# Altium PCB Femto_tester_v1.PcbDoc
Units mm, origin at the board's own origin, x right, y up, seen from the top; angles counter-clockwise.
Board outline 35 x 40 mm, 2 copper layers (L1 [TOP], L2 [BOT]), stack 1.57 mm thick; 78 components, 74 nets, 220 pads, 76 vias.
Unrouted connection lines stored in the file: 26.
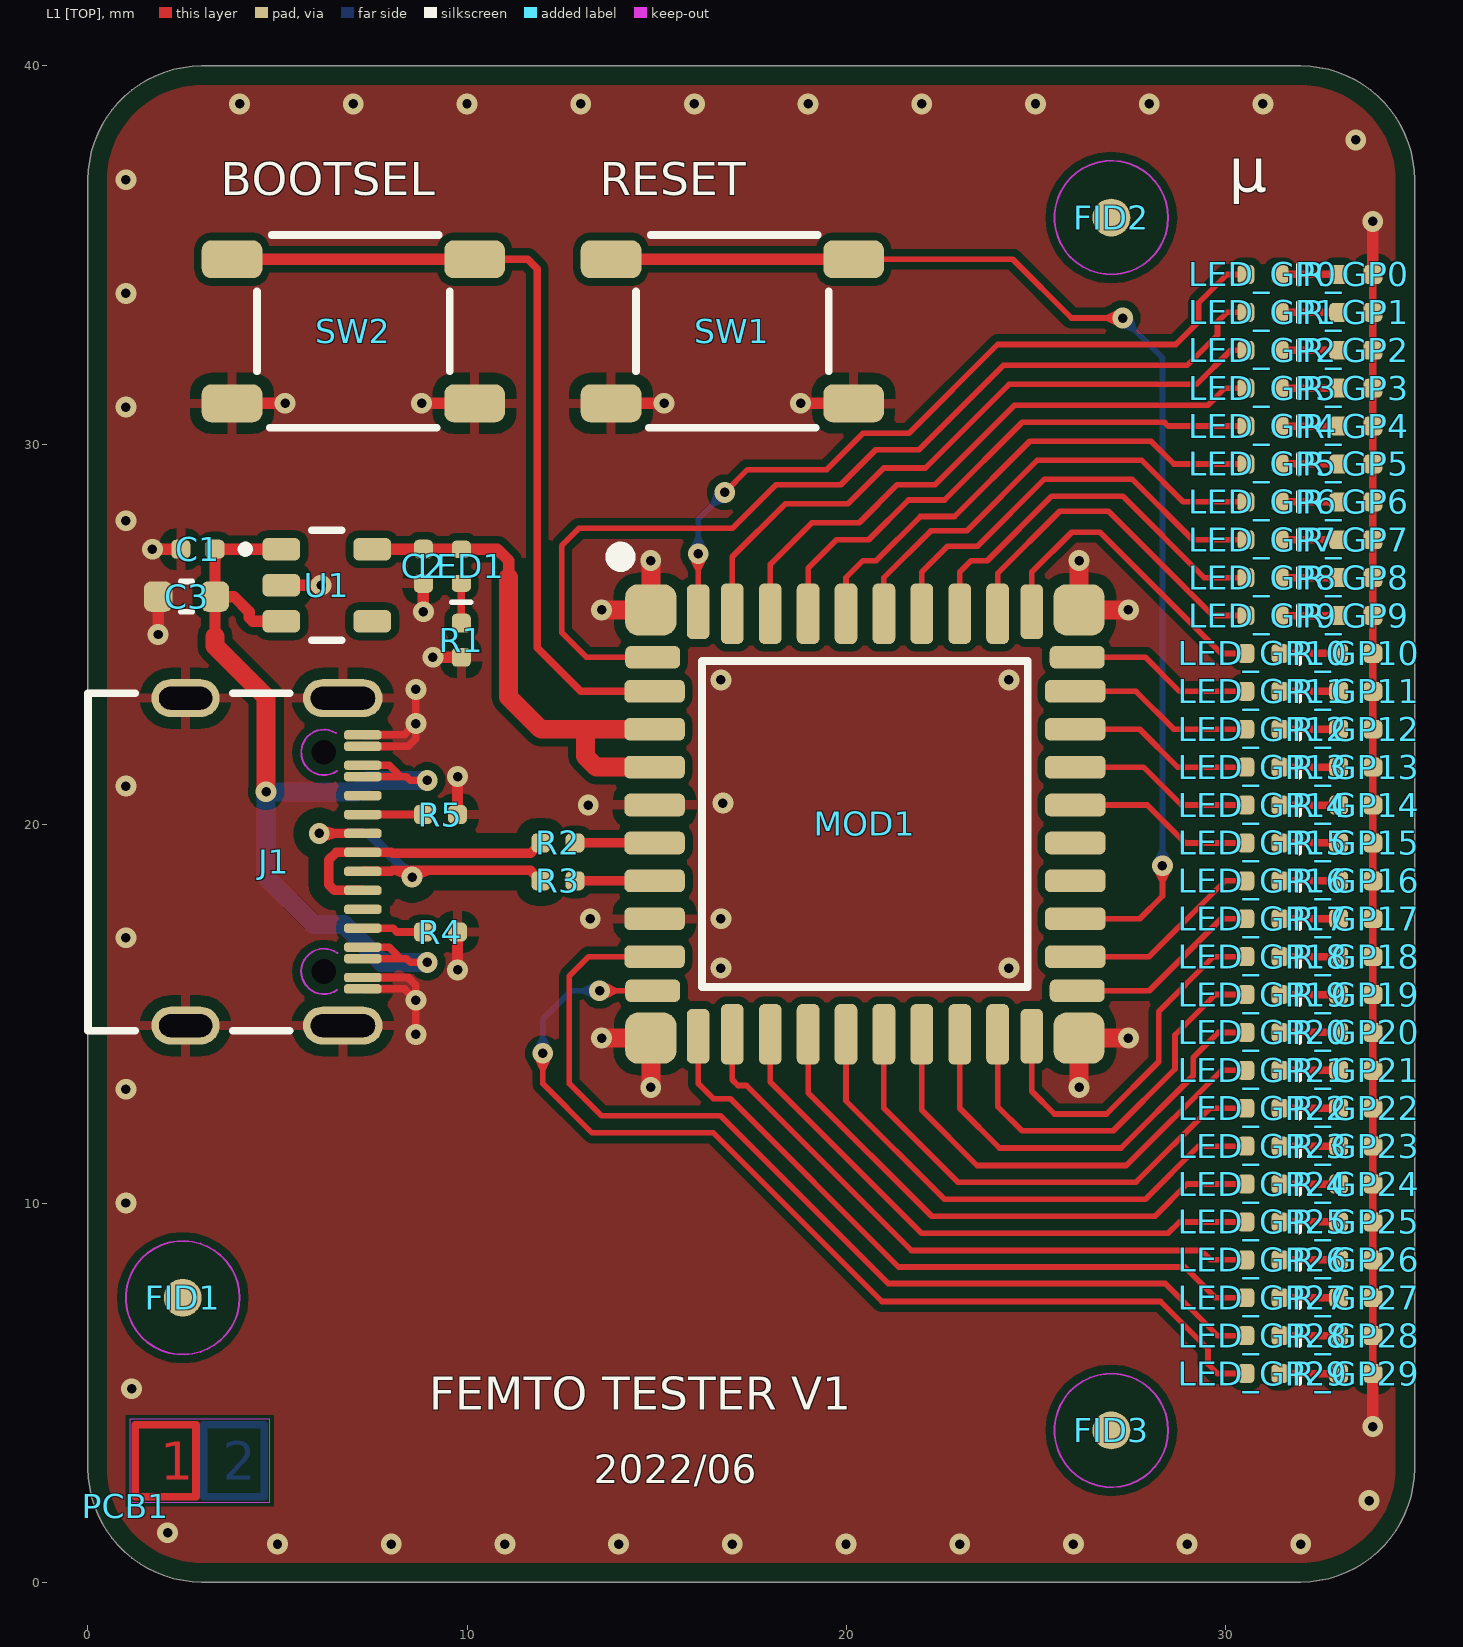
[diagram p0: L1 [TOP] view]
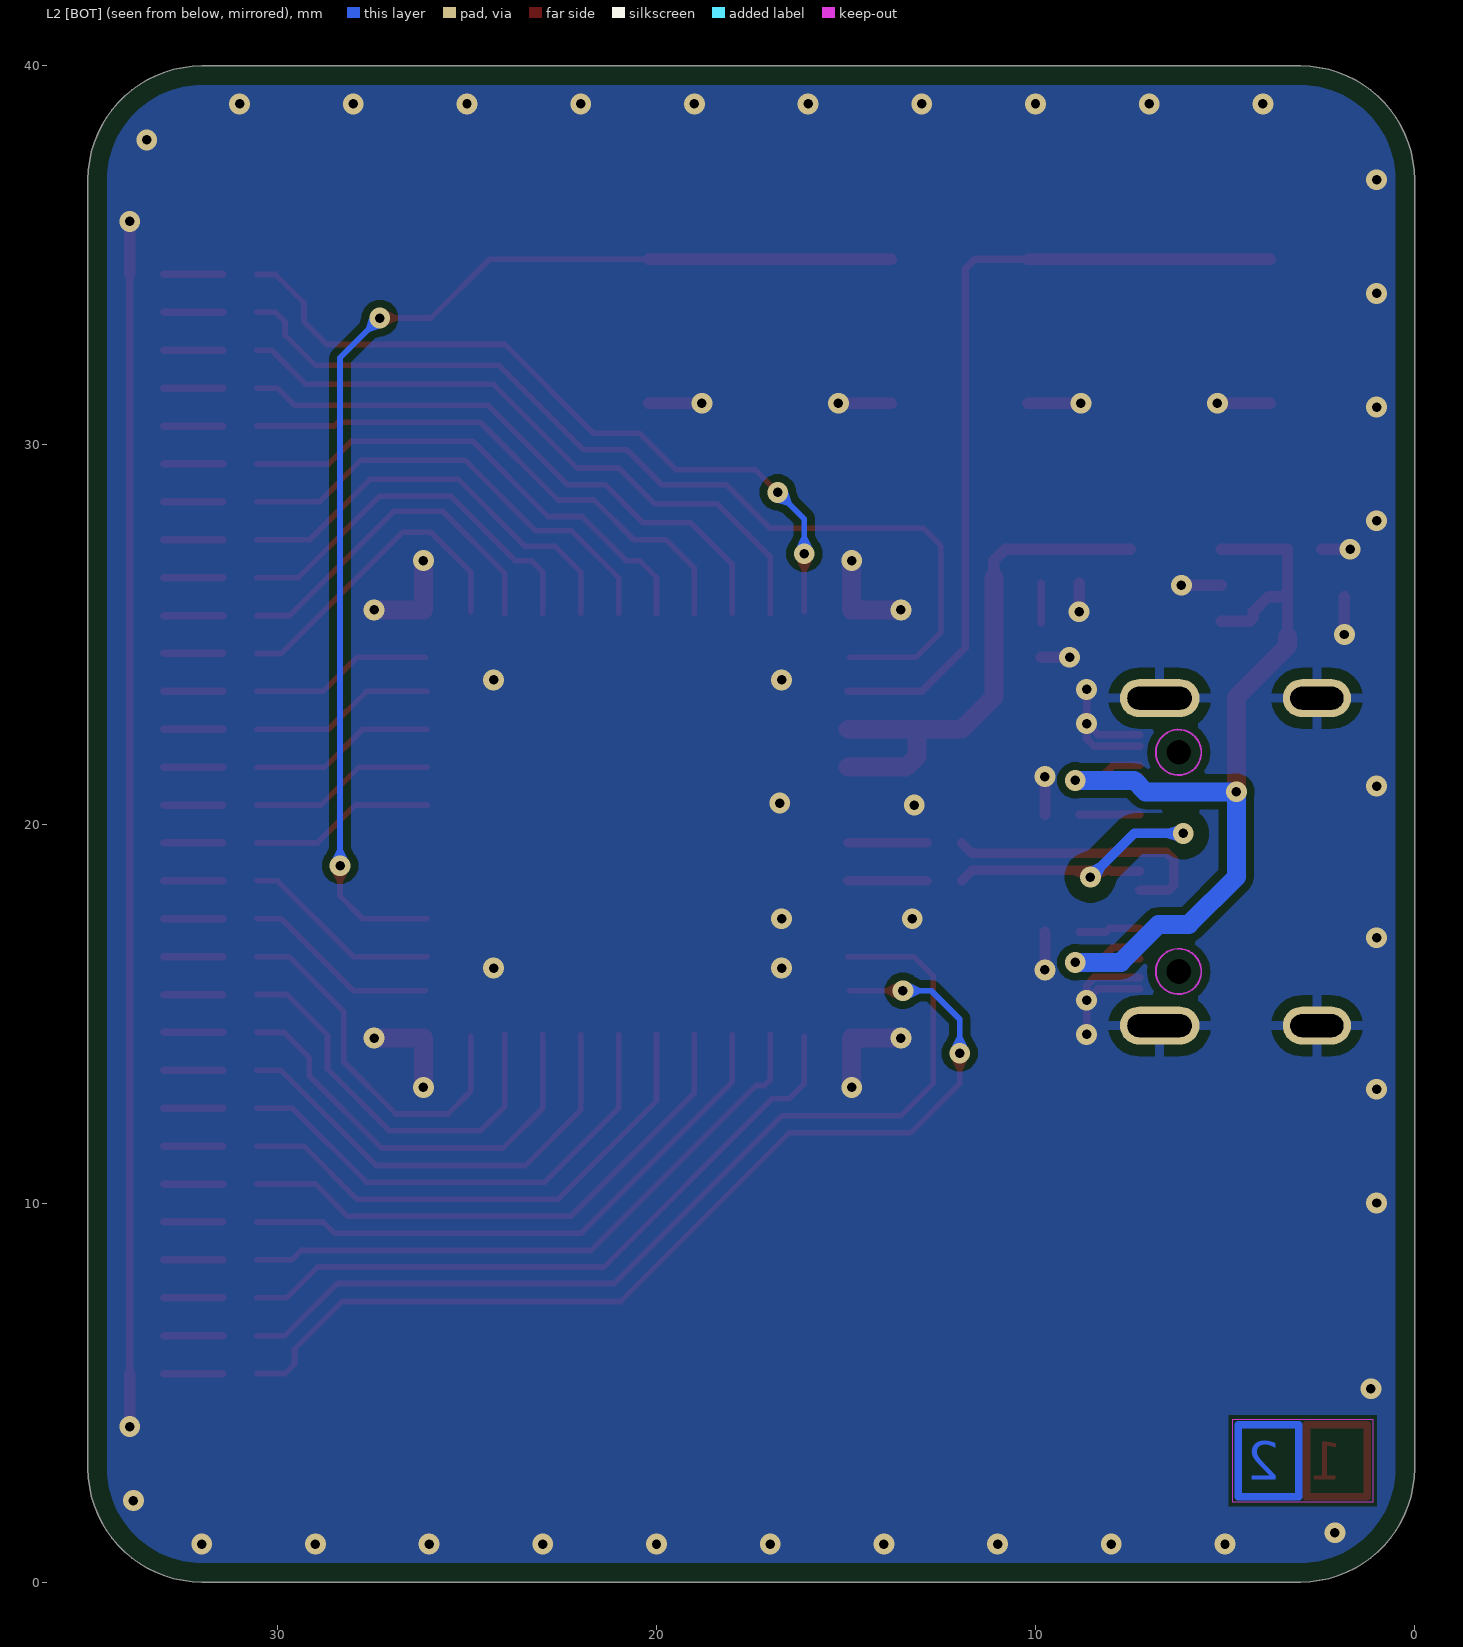
[diagram p1: L2 [BOT] view, seen from below]
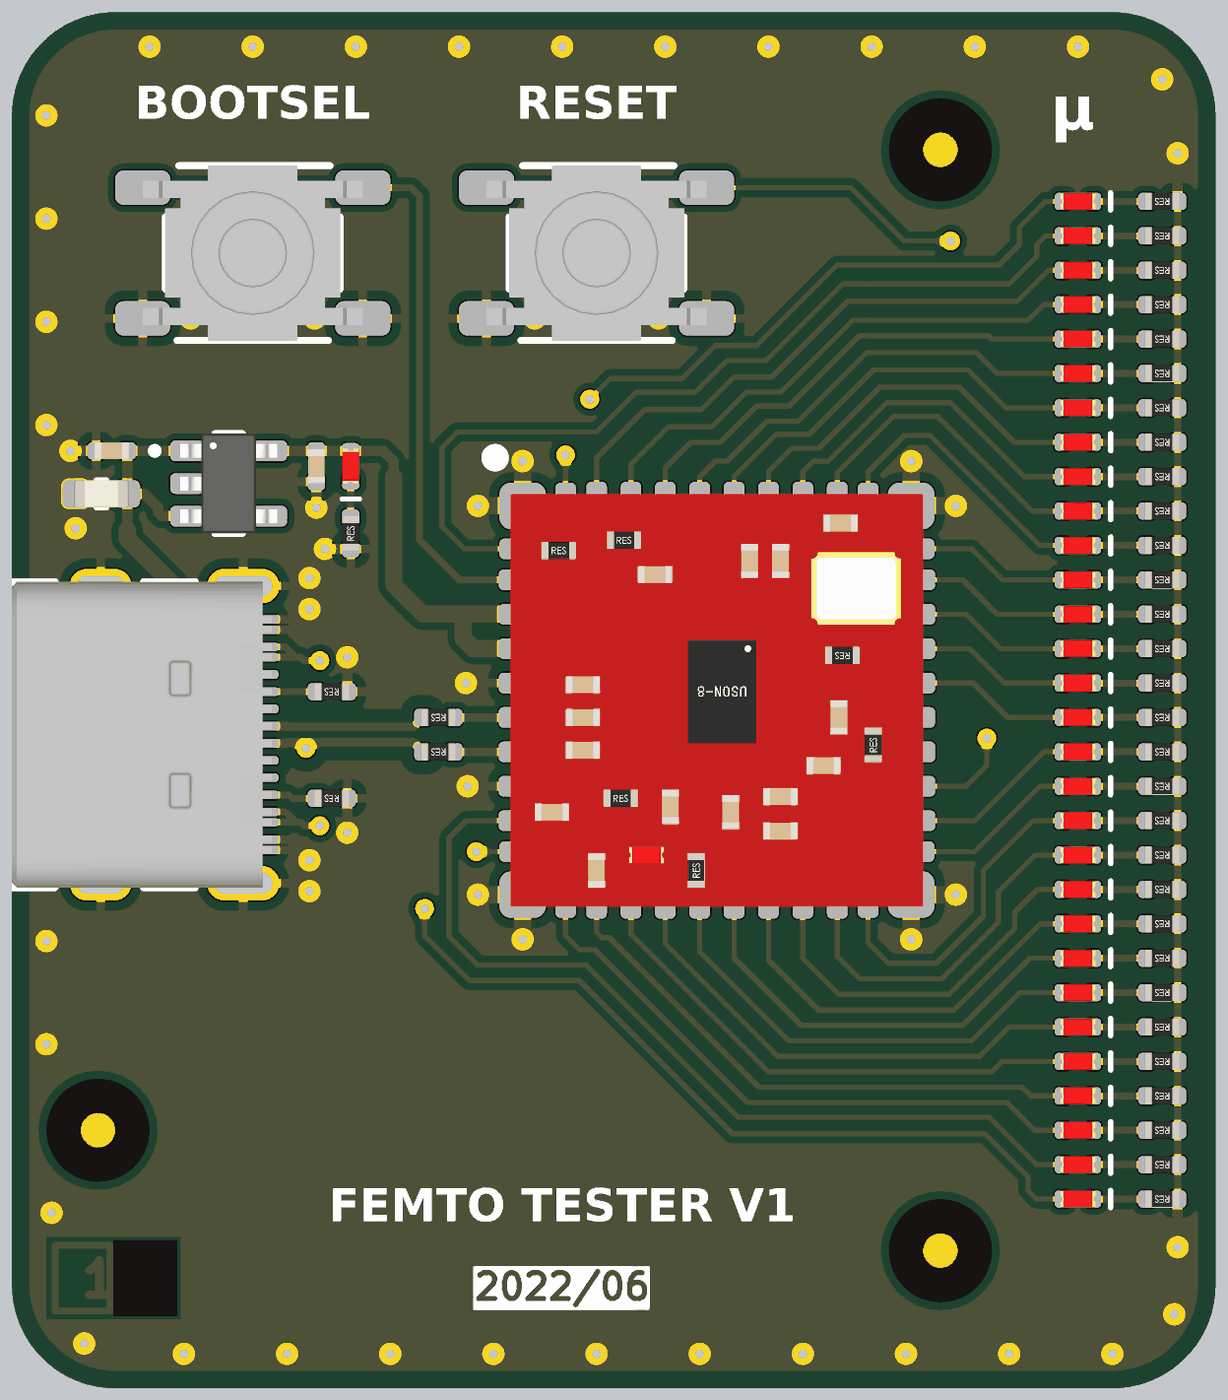
[diagram p2: 3D render of the assembled board from above, using the file's embedded part models]

## Layer stack, top to bottom
Soldermask [TOP]: solder mask 0.01, Solder Resist, Dk 3.5
L1 [TOP]: signal copper 0.035
Core: dielectric 1.5, FR-4, Dk 4.8
L2 [BOT]: signal copper 0.035
Soldermask [BOT]: solder mask 0.01, Solder Resist, Dk 3.5

## Board outline
0,3 ccw(c3,3) 3,0 32,0 ccw(c32,3) 35,3 35,37 ccw(c32,37) 32,40 3,40 ccw(c3,37) 0,37

## Design rules (kind name [scope] priority, off if disabled: settings)
BoardOutlineClearance BoardOutlineClearance_J1 [InComponent('J1')] p1: gap=0 ignorepadtopadclearanceinfootprint=FALSE
BoardOutlineClearance [All] p2: gap=0.5 ignorepadtopadclearanceinfootprint=FALSE
Clearance Clearance_PCB1 [InComponent('PCB1')] p1: gap=0 ignorepadtopadclearanceinfootprint=FALSE
Clearance Clearance_USB1 [InDifferentialPair('USB_CON') vs InDifferentialPair('USB_CON')] p2: gap=0.12 ignorepadtopadclearanceinfootprint=FALSE
Clearance Clearance_USB2 [InDifferentialPair('USB_CON') vs InPoly] p3: gap=0.4 ignorepadtopadclearanceinfootprint=FALSE
Clearance [All] p4: gap=0.2 ignorepadtopadclearanceinfootprint=FALSE except(0.15: Arc-Arc Arc-Track Arc-SMDPad Arc-THPad Arc-Via Arc-Text Arc-Hole Track-Track Track-SMDPad Track-THPad Track-Via Track-Text Track-Hole SMDPad-SMDPad SMDPad-THPad SMDPad-Via SMDPad-Text SMDPad-Hole THPad-THPad THPad-Via THPad-Text THPad-Hole Via-Via Via-Text Via-Hole Text-Text Text-Hole)
DiffPairsRouting [InDifferentialPair('USB_CON')] p1: maxlimit=0.5 minlimit=0.125 mostfreqgap=0.2 toplayer_minwidth=0.2 toplayer_maxwidth=0.4 toplayer_prefwidth=0.4 bottomlayer_minwidth=0.2 bottomlayer_maxwidth=0.4 bottomlayer_prefwidth=0.4 maxuncoupledlength=20
HoleSize [All] p1: absolutevalues=TRUE maxlimit=5 minlimit=0.2 maxpercent=80.000 minpercent=20.000
HoleToHoleClearance [All] p1: gap=0.4 allowstackedmicrovias=TRUE
MinimumAnnularRing [All] p1: minimumring=0.15
MinimumSolderMaskSliver [All] p1: minsoldermaskwidth=0.1
PlaneClearance [All] p1: clearance=0.5
PlaneConnect [All] p1: planeconnectstyle=Relief reliefexpansion=0.5 reliefentries=4 reliefconductorwidth=0.3 reliefairgap=0.3
PolygonConnect PolygonConnect_via [IsVia] p1: connectstyle=Direct reliefconductorwidth=0.254 reliefentries=4 polygonreliefangle="90 Angle" airgapwidth=0.254
PolygonConnect [All] p2: connectstyle=Relief reliefconductorwidth=0.25 reliefentries=4 polygonreliefangle="90 Angle" airgapwidth=0.3
RoutingVias [All] p1: holewidth=0.3 width=0.65 viastyle="Through Hole" minholewidth=0.2 minwidth=0.5 maxholewidth=0.4 maxwidth=0.8
SilkToSilkClearance [All] p1: silktosilkclearance=0.15
SilkToSolderMaskClearance [IsPad] p1: minsilkscreentomaskgap=0.12 clearancetoexposedcopper=TRUE
SolderMaskExpansion SolderMaskExpansion_via [IsVia] p1: expansion=-5 istentingtop=FALSE
SolderMaskExpansion [All] p2: expansion=0.05 istentingtop=FALSE
Width [All] p1: maxlimit=5 minlimit=0.1 preferedwidth=0.2
22 further rules are at their usual default settings.

## Classes and differential pairs
differential pair USB_CON: +USB_CON_P -USB_CON_N
differential pair USB: +USB_P -USB_N

## Components (designator, comment, footprint, x,y, rotation, side; value= is the part's Value field where it differs from the comment)
C1 "2.2uF" CAP_0402_R 2.9,27.25 r0 top
C2 "2.2uF" CAP_0402_R 8.85,26.8 r90 top
C3 "47uF" CAP_0603_R 2.6,26 r0 top
FID1 "Fiducial" PCB_FID_RND_100x300 2.5,7.5 r0 top
FID2 "Fiducial" PCB_FID_RND_100x300 27,36 r0 top
FID3 "Fiducial" PCB_FID_RND_100x300 27,4 r0 top
J1 "U262-161N-4BVC11" CON_XKB_U262-161N-4BVC11 3.65,19 r270 top locked
LED1 "Red" LED_0402_R 9.85,26.8 r90 top
LED_GP0 "Red" LED_0402_R 31,34.5 r180 top
LED_GP1 "Red" LED_0402_R 31,33.5 r180 top
LED_GP2 "Red" LED_0402_R 31,32.5 r180 top
LED_GP3 "Red" LED_0402_R 31,31.5 r180 top
LED_GP4 "Red" LED_0402_R 31,30.5 r180 top
LED_GP5 "Red" LED_0402_R 31,29.5 r180 top
LED_GP6 "Red" LED_0402_R 31,28.5 r180 top
LED_GP7 "Red" LED_0402_R 31,27.5 r180 top
LED_GP8 "Red" LED_0402_R 31,26.5 r180 top
LED_GP9 "Red" LED_0402_R 31,25.5 r180 top
LED_GP10 "Red" LED_0402_R 31,24.5 r180 top
LED_GP11 "Red" LED_0402_R 31,23.5 r180 top
LED_GP12 "Red" LED_0402_R 31,22.5 r180 top
LED_GP13 "Red" LED_0402_R 31,21.5 r180 top
LED_GP14 "Red" LED_0402_R 31,20.5 r180 top
LED_GP15 "Red" LED_0402_R 31,19.5 r180 top
LED_GP16 "Red" LED_0402_R 31,18.5 r180 top
LED_GP17 "Red" LED_0402_R 31,17.5 r180 top
LED_GP18 "Red" LED_0402_R 31,16.5 r180 top
LED_GP19 "Red" LED_0402_R 31,15.5 r180 top
LED_GP20 "Red" LED_0402_R 31,14.5 r180 top
LED_GP21 "Red" LED_0402_R 31,13.5 r180 top
LED_GP22 "Red" LED_0402_R 31,12.5 r180 top
LED_GP23 "Red" LED_0402_R 31,11.5 r180 top
LED_GP24 "Red" LED_0402_R 31,10.5 r180 top
LED_GP25 "Red" LED_0402_R 31,9.5 r180 top
LED_GP26 "Red" LED_0402_R 31,8.5 r180 top
LED_GP27 "Red" LED_0402_R 31,7.5 r180 top
LED_GP28 "Red" LED_0402_R 31,6.5 r180 top
LED_GP29 "Red" LED_0402_R 31,5.5 r180 top
MOD1 "FEMTO V1 Module" MOD_FEMTO_V1_120X120_P100 20.5,20 r270 top locked
PCB1 "PCB_LAYER_STACKUP" PCB_STACKUP-2L_A1 1,2 r0 top
R1 "2k" RES_0402_R 9.85,24.85 r90 top
R2 "27R" RES_0402_R 12.4,19.5 r180 top
R3 "27R" RES_0402_R 12.4,18.5 r180 top
R4 "5.1k" RES_0402_R 9.3,17.15 r180 top
R5 "5.1k" RES_0402_R 9.3,20.25 r180 top
R_GP0 "2k" RES_0402_R 33.45,34.5 r180 top
R_GP1 "2k" RES_0402_R 33.45,33.5 r180 top
R_GP2 "2k" RES_0402_R 33.45,32.5 r180 top
R_GP3 "2k" RES_0402_R 33.45,31.5 r180 top
R_GP4 "2k" RES_0402_R 33.45,30.5 r180 top
R_GP5 "2k" RES_0402_R 33.45,29.5 r180 top
R_GP6 "2k" RES_0402_R 33.45,28.5 r180 top
R_GP7 "2k" RES_0402_R 33.45,27.5 r180 top
R_GP8 "2k" RES_0402_R 33.45,26.5 r180 top
R_GP9 "2k" RES_0402_R 33.45,25.5 r180 top
R_GP10 "2k" RES_0402_R 33.45,24.5 r180 top
R_GP11 "2k" RES_0402_R 33.45,23.5 r180 top
R_GP12 "2k" RES_0402_R 33.45,22.5 r180 top
R_GP13 "2k" RES_0402_R 33.45,21.5 r180 top
R_GP14 "2k" RES_0402_R 33.45,20.5 r180 top
R_GP15 "2k" RES_0402_R 33.45,19.5 r180 top
R_GP16 "2k" RES_0402_R 33.45,18.5 r180 top
R_GP17 "2k" RES_0402_R 33.45,17.5 r180 top
R_GP18 "2k" RES_0402_R 33.45,16.5 r180 top
R_GP19 "2k" RES_0402_R 33.45,15.5 r180 top
R_GP20 "2k" RES_0402_R 33.45,14.5 r180 top
R_GP21 "2k" RES_0402_R 33.45,13.5 r180 top
R_GP22 "2k" RES_0402_R 33.45,12.5 r180 top
R_GP23 "2k" RES_0402_R 33.45,11.5 r180 top
R_GP24 "2k" RES_0402_R 33.45,10.5 r180 top
R_GP25 "2k" RES_0402_R 33.45,9.5 r180 top
R_GP26 "2k" RES_0402_R 33.45,8.5 r180 top
R_GP27 "2k" RES_0402_R 33.45,7.5 r180 top
R_GP28 "2k" RES_0402_R 33.45,6.5 r180 top
R_GP29 "2k" RES_0402_R 33.45,5.5 r180 top
SW1 "TACT Switch" SWI_CKS_PTS525 17,33 r0 top
SW2 "TACT Switch" SWI_CKS_PTS525 7,33 r0 top
U1 "NCP114ASN330T1G" ICC_TSOT-5_290X160H110_P95 6.3,26.3 r270 top

## Footprints (in the part's own frame and the unit in brackets; to place one, negate y for a bottom-side part, rotate by r counter-clockwise, add the part's x,y. Pads: shape width x height; smd on the part's side, far side on the other; paste and mask are expansions set on the pad)
CAP_0402_R [mm]
  rrect50% 0.5x0.5 smd: 1(-0.45,0) 2(0.45,0)
  body extent -0.5,-0.25 0.5,0.25, height 0.5
CAP_0603_R [mm]
  rrect50% 0.75x0.8 smd: 1(-0.75,0) 2(0.75,0)
  silkscreen extent -0.15,-0.4 0.15,0.4, body extent -0.8,-0.41 0.8,0.41, height 0.57
CON_XKB_U262-161N-4BVC11 [mm]
  rrect75% 0.25x1 smd: A1(-3.35,3.6) A4(-2.55,3.6) A5(-1.25,3.6) A6(-0.25,3.6) A7(0.25,3.6) A8(1.25,3.6) A9(2.55,3.6) A12(3.35,3.6) B1(3.05,3.6) B4(2.25,3.6) B5(1.75,3.6) B6(0.75,3.6) B7(-0.75,3.6) B8(-1.75,3.6) B9(-2.25,3.6) B12(-3.05,3.6)
  round 0 hole 0.65 unplated mask+0.05: MH1(-2.89,2.575) MH2(2.89,2.575)
  rrect100% 1x2.1 hole 1.7 slot 0.6 at 0 deg: SH(-4.32,3.075) SH(4.32,3.075)
  rrect100% 1x1.8 hole 1.4 slot 0.6 at 0 deg: SH(-4.32,-1.075) SH(4.32,-1.075)
  silkscreen extent -4.45,-3.65 4.45,1.67, body extent -4.45,-3.66 4.45,3.9, height 3.3
ICC_TSOT-5_290X160H110_P95 [mm]
  rrect50% 0.6x1 smd: 1(-0.95,-1.2) 2(0,-1.2) 3(0.95,-1.2) 4(0.95,1.2) 5(-0.95,1.2)
  silkscreen extent -1.45,-2.25 1.45,0.4, body extent -1.45,-1.41 1.45,1.41, height 1.1
LED_0402_R [mm]
  rrect50% 0.45x0.5 smd: 1(-0.45,0) 2(0.45,0)
  silkscreen extent -0.95,-0.25 -0.95,0.25, body extent -0.5,-0.25 0.51,0.25, height 0.45
MOD_FEMTO_V1_120X120_P100 [mm]
  rrect50% 1.35x1.35 smd: 1(-5.65,-5.65) 12(5.65,-5.65) 23(5.65,5.65) 34(-5.65,5.65)
  rrect50% 0.6x1.45 smd: 2(-4.4,-5.6) 11(4.4,-5.6) 24(4.4,5.6) 33(-4.4,5.6)
  rrect50% 0.6x1.6 smd: 3(-3.5,-5.55) 4(-2.5,-5.55) 5(-1.5,-5.55) 6(-0.5,-5.55) 7(0.5,-5.55) 8(1.5,-5.55) 9(2.5,-5.55) 10(3.5,-5.55) 25(3.5,5.55) 26(2.5,5.55) 27(1.5,5.55) 28(0.5,5.55) 29(-0.5,5.55) 30(-1.5,5.55) 31(-2.5,5.55) 32(-3.5,5.55)
  rrect50% 1.45x0.6 smd: 13(5.6,-4.4) 22(5.6,4.4) 35(-5.6,4.4) 44(-5.6,-4.4)
  rrect50% 1.6x0.6 smd: 14(5.55,-3.5) 15(5.55,-2.5) 16(5.55,-1.5) 17(5.55,-0.5) 18(5.55,0.5) 19(5.55,1.5) 20(5.55,2.5) 21(5.55,3.5) 36(-5.55,3.5) 37(-5.55,2.5) 38(-5.55,1.5) 39(-5.55,0.5) 40(-5.55,-0.5) 41(-5.55,-1.5) 42(-5.55,-2.5) 43(-5.55,-3.5)
  silkscreen extent -7.25,-6.65 4.3,4.3, body extent -6,-6 6,6, height 3.72
PCB_FID_RND_100x300 [mm]
  round 1 smd paste-10 mask+1: 0(0,0)
  L1 [TOP] pour cut-out: -1.6,0 -1.478,-0.612 -1.131,-1.131 -0.612,-1.478 0,-1.6 0,-1.6 0.612,-1.478 1.131,-1.131 1.478,-0.612 1.6,0 1.6,0 1.478,0.612 1.131,1.131 0.612,1.478 0,1.6 0,1.6 -0.612,1.478 -1.131,1.131 -1.478,0.612 -1.6,0
  L1 [TOP] keep-out circle w0.05: c0,0 r1.5
PCB_STACKUP-2L_A1 [mm]
  L1 [TOP] pour cut-out: 0,2.4 3.9,2.4 3.9,0 0,0
  L1 [TOP] lines w0.2: 0.25,0.25 0.25,2.15 1.85,2.15 1.85,0.25 0.25,0.25
  L2 [BOT] pour cut-out: 3.9,2.4 0,2.4 0,0 3.9,0
  L2 [BOT] lines w0.2: 2.05,0.25 2.05,2.15 3.65,2.15 3.65,0.25 2.05,0.25
  Keep-Out Layer region: 0.1,0.1 3.8,0.1 3.8,2.3 0.1,2.3
RES_0402_R [mm]
  rrect50% 0.5x0.5 smd: 1(-0.45,0) 2(0.45,0)
  body extent -0.5,-0.25 0.5,0.25, height 0.3
SWI_CKS_PTS525 [mm]
  rrect50% 1.6x1 smd: 1(-3.2,1.9) 2(3.2,1.9) 3(-3.2,-1.9) 4(3.2,-1.9)
  silkscreen extent -2.54,-2.54 2.54,2.54, body extent -3.2,-2.55 3.2,2.55, height 1.5

## Part data
C1 C2: library part CAP-0026, "Capacitor; MLCC; GENERIC; TBD; TBD; TBD; TBD; SMD; 0402 (1005);", Dielectric=X5R, Manufacturer="Samsung Electro-Mechanics", MPN=CL05A225MQ5NNNC, Operating Temperature=TBD, Package (Case)="0402 (1005)", Supplier Part Number 1=C107371, Voltage Rating=6.3V, Capacitance=2.2uF, Component Body="1.00 x 0.50mm", Component Height=TBD, Component Subtype=MLCC, Component Type=Capacitor, Features=TBD, ID=CAP-0026, Mounting Type=SMD, Packaging Type=TBD, ROHS Status=TBD, Supplier 1=LCSC, Supplier 2=Farnell, Supplier 3=Mouser, Supplier Part Number 2=3013335, Supplier Part Number 3=187-CL05A225MQ5NNNC, Tolerance=TBD
C3: library part CAP-0023, "Capacitor; MLCC; GENERIC; TBD; TBD; TBD; TBD; SMD; 0603 (1608);", Dielectric=X5R, Manufacturer="Murata Electronics", MPN=GENERIC, Operating Temperature=TBD, Package (Case)="0603 (1608)", Supplier Part Number 1=C140782, Voltage Rating=6.3V, Capacitance=47uF, Component Body=TBD, Component Height=TBD, Component Subtype=MLCC, Component Type=Capacitor, Features=TBD, ID=CAP-0023, Mounting Type=SMD, Packaging Type=TBD, ROHS Status=TBD, Supplier 1=LCSC, Supplier 2=Farnell, Supplier 3=Mouser, Supplier Part Number 2=3582851, Supplier Part Number 3=81-GRM188R60J476ME5J, Tolerance=TBD
FID1 FID2 FID3: library part PCB_FID_RND, "PCB Marking; Fiducial; Round;", Component Subtype=-, Component Type=Fiducial, Mounting Type=-, Supplier 1=LCSC, Supplier 2=Farnell, Supplier 3=Mouser
J1: library part CON_USB_TYPE_C_16P, "Connector; USB 3.1 Type C; Receptacle; 24-pin; USB 2.0 Only;", Manufacturer="XKB Connectivity", Package (Case)=SMD, Component Subtype=USB-C, Component Type=Connector, Mounting Type=SMD, MPN=U262-161N-4BVC11, Supplier=?
LED1 LED_GP0 LED_GP1 LED_GP2 LED_GP3 LED_GP4 LED_GP5 LED_GP6 LED_GP7 LED_GP8 LED_GP9 LED_GP10 LED_GP11 LED_GP12 LED_GP13 LED_GP14 LED_GP15 LED_GP16 LED_GP17 LED_GP18 LED_GP19 LED_GP20 LED_GP21 LED_GP22 LED_GP23 LED_GP24 LED_GP25 LED_GP26 LED_GP27 LED_GP28 LED_GP29: library part DIO_LED_RED, "Diode; LED; Red;", Package (Case)="0402 (1005)", Supplier Part Number 1=C965790, Component Subtype="LED Diode", Component Type=LED, Mounting Type=SMD, Supplier 1=LCSC, Supplier 2=Farnell, Supplier 3=Mouser, Supplier Part Number 2=2900754, Supplier Part Number 3=710-150040RS73240
MOD1: library part MOD_FEMTO_V1_LGA40, "PCB Module; FEMTO V1; LGA40; Pitch 1mm;"
R1 R_GP0 R_GP1 R_GP2 R_GP3 R_GP4 R_GP5 R_GP6 R_GP7 R_GP8 R_GP9 R_GP10 R_GP11 R_GP12 R_GP13 R_GP14 R_GP15 R_GP16 R_GP17 R_GP18 R_GP19 R_GP20 R_GP21 R_GP22 R_GP23 R_GP24 R_GP25 R_GP26 R_GP27 R_GP28 R_GP29: library part RES-0058, "Resistor; Thick Film; GENERIC; TBD; TBD; TBD; TBD; TBD; SMD; 0402 (1005);", Manufacturer="Yageo Corporation", MPN=RC0402FR-072KP, Operating Temperature=TBD, Package (Case)="0402 (1005)", Power Rating=62.5mW, Supplier Part Number 1=C60488, Tolerance=1%, Voltage Rating=50V, Component Body="1.00 x 0.50mm", Component Height=TBD, Component Subtype="Thick Film", Component Type=Resistor, Features=TBD, ID=RES-0058, Mounting Type=SMD, Packaging Type=TBD, Resistance=2k, ROHS Status=TBD, Supplier 1=LCSC, Supplier 2=Farnell, Supplier 3=Mouser, Supplier Part Number 2=1458757, Supplier Part Number 3=603-RC0402FR-072KL, TCR=TBD
R2 R3: library part RES-0058, "Resistor; Thick Film; GENERIC; TBD; TBD; TBD; TBD; TBD; SMD; 0402 (1005);", Manufacturer="Yageo Corporation", MPN=RC0402FR-0727RL, Operating Temperature=TBD, Package (Case)="0402 (1005)", Power Rating=62.5mW, Supplier Part Number 1=C138021, Tolerance=1%, Voltage Rating=50V, Component Body="1.00 x 0.50mm", Component Height=TBD, Component Subtype="Thick Film", Component Type=Resistor, Features=TBD, ID=RES-0058, Mounting Type=SMD, Packaging Type=TBD, Resistance=27R, ROHS Status=TBD, Supplier 1=LCSC, Supplier 2=Farnell, Supplier 3=Mouser, Supplier Part Number 2=9239049, Supplier Part Number 3=603-RC0402FR-0727RL, TCR=TBD
R4 R5: library part RES-0058, "Resistor; Thick Film; GENERIC; TBD; TBD; TBD; TBD; TBD; SMD; 0402 (1005);", Manufacturer="Yageo Corporation", MPN=RC0402FR-075K1L, Operating Temperature=TBD, Package (Case)="0402 (1005)", Power Rating=62.5mW, Supplier Part Number 1=C105872, Tolerance=1%, Component Body="1.00 x 0.50mm", Component Height=TBD, Component Subtype="Thick Film", Component Type=Resistor, Features=TBD, ID=RES-0058, Mounting Type=SMD, Packaging Type=TBD, Resistance=5.1k, ROHS Status=TBD, Supplier 1=LCSC, Supplier 2=Farnell, Supplier 3=Mouser, Supplier Part Number 2=1458805, Supplier Part Number 3=603-RC0402FR-075K1L, TCR=TBD, Voltage Rating=TBD
SW1 SW2: library part SWI_TACT_4P_AABB, "Switch; Tactile; Monostable;", Manufacturer="C&K Switches", MPN=PTS525SM15SMTR2LFS, Package (Case)=3780595, Supplier Part Number 1=C221856, Component Subtype="TACT Switch", Component Type=Switch, Mounting Type=SMD, Supplier 1=LCSC, Supplier 2=Farnell, Supplier 3=Mouser, Supplier Part Number 2=3023207, Supplier Part Number 3=611-PTS525SM15SMTR2
U1: library part ICC_ONS_NCP114_TSOP5, "ICC; LDO;", Supplier Part Number 1=C457666, MPN=NCP114ASN330T1G, Supplier 1=LCSC, Supplier 2=Farnell, Supplier 3=Mouser, Supplier Part Number 2=2677151, Supplier Part Number 3=863-NCP114ASN330T1G
PCB1: Component Subtype=-, Component Type="PCB Marking", Mounting Type=-, Supplier 1=LCSC, Supplier 2=Farnell, Supplier 3=Mouser

## Via types
v1: diameter 0.55, hole 0.25, L1 [TOP] to L2 [BOT], 76 vias

## Nets (pads, with @x,y where several pads share a name; then routed paths per layer and width w, separated by ;. In a path a pad name is that pad's centre, name@x,y a point inside that pad or via, vN(x,y) a via of type N, cw(c..) or ccw(c..) an arc to the next point about the centre after c; other vN are vias at no path point)
BOOTSEL: MOD1.3 SW2.1 SW2.2 | length 21.7
  L1 [TOP] w0.2: SW2.2 11.6,34.9 11.85,34.65 11.85,24.65 13,23.5 MOD1.3
  L1 [TOP] w0.3: SW2.1 SW2.2
GND: C1.1 C2.1 C3.1 J1.A1 J1.A12 J1.B1 J1.B12 J1.SH MOD1.1 MOD1.6 MOD1.9 MOD1.12 MOD1.23 MOD1.34 R1.1 R4.1 R5.1 R_GP0.1 R_GP1.1 R_GP2.1 R_GP3.1 R_GP4.1 R_GP5.1 R_GP6.1 R_GP7.1 R_GP8.1 R_GP9.1 R_GP10.1 R_GP11.1 R_GP12.1 R_GP13.1 R_GP14.1 R_GP15.1 R_GP16.1 R_GP17.1 R_GP18.1 R_GP19.1 R_GP20.1 R_GP21.1 R_GP22.1 R_GP23.1 R_GP24.1 R_GP25.1 R_GP26.1 R_GP27.1 R_GP28.1 R_GP29.1 SW1.3 SW1.4 SW2.3 SW2.4 U1.2 | length 62.7
  L1 [TOP] w0.2: J1.A12 8.35,15.65 v1(8.65,15.35) ; J1.B1 8.45,15.95 8.65,15.75 v1(8.65,15.35) ; J1.B12 8.45,22.05 8.65,22.25 v1(8.65,22.65) ; J1.A1 8.35,22.35 v1(8.65,22.65) ; v1(8.65,14.45) v1(8.65,15.35) ; v1(8.65,23.55) v1(8.65,22.65) ; R_GP29.1 R_GP28.1 R_GP27.1 R_GP23.1 R_GP22.1 R_GP19.1 R_GP18.1 R_GP16.1 R_GP12.1 R_GP10.1 R_GP9.1 R_GP8.1 R_GP7.1 R_GP5.1 R_GP3.1 R_GP1.1 R_GP0.1
  L1 [TOP] w0.3: v1(1.7,27.25) C1.1 ; v1(1.85,25) C3.1 ; SW2.3 v1(5.2,31.1) ; U1.2 v1(6.15,26.3) ; v1(8.8,31.1) SW2.4 ; v1(8.85,25.6) C2.1 ; v1(9.1,24.4) R1.1 ; v1(9.75,16.15) R4.1 ; R5.1 v1(9.75,21.25) ; SW1.3 v1(15.2,31.1) ; v1(18.8,31.1) SW1.4 ; v1(33.9,4.1) R_GP29.1 ; R_GP0.1 v1(33.9,35.9)
  L1 [TOP] w0.5: v1(13.55,14.35) MOD1.12 v1(14.85,13.05) ; v1(13.55,25.65) MOD1.1 v1(14.85,26.95) ; v1(26.15,13.05) MOD1.23 v1(27.45,14.35) ; v1(26.15,26.95) MOD1.34 v1(27.45,25.65)
  other v1: 5,1 8,1 11,1 14,1 17,1 20,1 23,1 26,1 29,1 32,1 2.1,1.3 33.8,2.15 1.15,5.1 1,10 1,13 16.7,16.2 24.3,16.2 1,17 13.25,17.5 16.7,17.5 13.2,20.5 16.75,20.55 1,21 16.7,23.8 24.3,23.8 1,28 1,31 1,34 1,37 33.45,38.05 4,39 7,39 10,39 13,39 16,39 19,39 22,39 25,39 28,39 31,39
GPIO0: LED_GP0.2 MOD1.44 | length 19.9
  L1 [TOP] w0.15: MOD1.44 v1(16.1,27.132) ; v1(16.8,28.75) 17.4,29.35 19.49,29.35 20.449,30.309 21.659,30.309 24,32.65 28.7,32.65 29.3,33.25 29.3,33.75 30.05,34.5 LED_GP0.2
  L2 [BOT] w0.15: v1(16.1,27.132) 16.1,28.05 v1(16.8,28.75)
GPIO1: LED_GP1.2 MOD1.2 | length 25.8
  L1 [TOP] w0.15: MOD1.2 13.15,24.4 12.5,25.05 12.5,27.35 12.95,27.8 17,27.8 18.15,28.95 19.861,28.95 20.786,29.876 21.926,29.876 24.15,32.1 29,32.1 29.8,32.9 29.8,33.25 30.05,33.5 LED_GP1.2
GPIO2: LED_GP2.2 MOD1.43 | length 17.3
  L1 [TOP] w0.15: MOD1.43 17,27.05 18.4,28.45 20.05,28.45 20.995,29.395 22.095,29.395 24.3,31.6 29.25,31.6 30.15,32.5 LED_GP2.2
GPIO3: LED_GP3.2 MOD1.42 | length 15.8
  L1 [TOP] w0.15: MOD1.42 18,26.85 19.1,27.95 20.35,27.95 21.353,28.953 22.353,28.953 24.45,31.05 29.55,31.05 30,31.5 LED_GP3.2
GPIO4: LED_GP4.2 MOD1.41 | length 14.4
  L1 [TOP] w0.15: MOD1.41 19,26.75 19.75,27.5 20.6,27.5 21.647,28.547 22.597,28.547 24.65,30.6 28.4,30.6 28.5,30.5 LED_GP4.2
GPIO5: LED_GP5.2 MOD1.40 | length 13.2
  L1 [TOP] w0.15: MOD1.40 20,26.5 20.45,26.95 20.8,26.95 21.963,28.113 22.863,28.113 24.85,30.1 28.05,30.1 28.65,29.5 LED_GP5.2
GPIO6: LED_GP6.2 MOD1.39 | length 12.2
  L1 [TOP] w0.15: MOD1.39 21,26.5 22.234,27.734 23.184,27.734 25.05,29.6 27.8,29.6 28.9,28.5 LED_GP6.2
GPIO7: LED_GP7.2 MOD1.38 | length 11.3
  L1 [TOP] w0.15: MOD1.38 22,26.65 22.678,27.328 23.469,27.328 25.241,29.1 27.55,29.1 29.15,27.5 LED_GP7.2
GPIO8: LED_GP8.2 MOD1.37 | length 10.4
  L1 [TOP] w0.15: MOD1.37 23,26.65 23.298,26.948 23.728,26.948 25.431,28.65 27.3,28.65 29.45,26.5 LED_GP8.2
GPIO9: LED_GP9.2 MOD1.36 | length 9.4
  L1 [TOP] w0.15: MOD1.36 24,26.609 25.641,28.25 26.927,28.25 29.677,25.5 LED_GP9.2
GPIO10: LED_GP10.2 MOD1.35 | length 8.5
  L1 [TOP] w0.15: MOD1.35 24.9,26.646 25.954,27.7 26.7,27.7 29.9,24.5 LED_GP10.2
GPIO11: LED_GP11.2 MOD1.33 | length 4.8
  L1 [TOP] w0.15: MOD1.33 27.9,24.4 28.8,23.5 LED_GP11.2
GPIO12: LED_GP12.2 MOD1.32 | length 4.9
  L1 [TOP] w0.15: MOD1.32 27.65,23.5 28.65,22.5 LED_GP12.2
GPIO13: LED_GP13.2 MOD1.31 | length 4.9
  L1 [TOP] w0.15: MOD1.31 27.75,22.5 28.75,21.5 LED_GP13.2
GPIO14: LED_GP14.2 MOD1.30 | length 4.9
  L1 [TOP] w0.15: MOD1.30 27.85,21.5 28.85,20.5 LED_GP14.2
GPIO15: LED_GP15.2 MOD1.29 | length 4.9
  L1 [TOP] w0.15: MOD1.29 27.95,20.5 28.95,19.5 LED_GP15.2
GPIO16: LED_GP16.2 MOD1.25 | length 5.3
  L1 [TOP] w0.15: MOD1.25 28,16.5 30,18.5 LED_GP16.2
GPIO17: LED_GP17.2 MOD1.24 | length 5.2
  L1 [TOP] w0.15: MOD1.24 28,15.6 29.9,17.5 LED_GP17.2
GPIO18: LED_GP18.2 MOD1.22 | length 9.8
  L1 [TOP] w0.15: MOD1.22 24.9,12.95 25.5,12.35 26.874,12.35 28.25,13.726 28.25,15.05 29.7,16.5 LED_GP18.2
GPIO19: LED_GP19.2 MOD1.21 | length 10.7
  L1 [TOP] w0.15: MOD1.21 24,12.55 24.645,11.905 27.053,11.905 28.681,13.534 28.681,14.431 29.75,15.5 LED_GP19.2
GPIO20: LED_GP20.2 MOD1.20 | length 11.5
  L1 [TOP] w0.15: MOD1.20 23,12.5 24.049,11.451 27.254,11.451 29.162,13.359 29.162,13.839 29.823,14.5 LED_GP20.2
GPIO21: LED_GP21.2 MOD1.19 | length 12.2
  L1 [TOP] w0.15: MOD1.19 22,12.45 23.459,10.991 27.396,10.991 29.905,13.5 LED_GP21.2
GPIO22: LED_GP22.2 MOD1.18 | length 13.1
  L1 [TOP] w0.15: MOD1.18 21,12.5 22.95,10.55 27.65,10.55 29.6,12.5 LED_GP22.2
GPIO23: LED_GP23.2 MOD1.17 | length 14
  L1 [TOP] w0.15: MOD1.17 20,12.695 22.595,10.1 27.9,10.1 29.3,11.5 LED_GP23.2
GPIO24: LED_GP24.2 MOD1.16 | length 14.8
  L1 [TOP] w0.15: MOD1.16 19,12.911 22.261,9.65 28.15,9.65 29,10.5 LED_GP24.2
GPIO25: LED_GP25.2 MOD1.15 | length 15.6
  L1 [TOP] w0.15: MOD1.15 18,13.195 21.995,9.2 28.5,9.2 28.8,9.5 LED_GP25.2
GPIO26: LED_GP26.2 MOD1.14 | length 16.7
  L1 [TOP] w0.15: MOD1.14 17,13.25 17.15,13.1 17.375,13.1 21.726,8.749 29.376,8.749 29.625,8.5 LED_GP26.2
GPIO27: LED_GP27.2 MOD1.13 | length 18
  L1 [TOP] w0.15: MOD1.13 16.1,13.15 16.5,12.75 16.95,12.75 21.389,8.311 28.939,8.311 29.75,7.5 LED_GP27.2
GPIO28: LED_GP28.2 MOD1.10 | length 25.9
  L1 [TOP] w0.15: MOD1.10 13.214,16.5 12.7,15.986 12.7,13.15 13.55,12.3 16.689,12.3 21.114,7.875 28.425,7.875 29.8,6.5 LED_GP28.2
GPIO29: LED_GP29.2 MOD1.11 | length 26.9
  L1 [TOP] w0.15: v1(12,13.95) 12,13.15 13.3,11.85 16.5,11.85 20.95,7.4 28.3,7.4 29.55,6.15 29.55,5.75 29.8,5.5 LED_GP29.2 ; v1(13.5,15.6) MOD1.11
  L2 [BOT] w0.15: v1(12,13.95) 12,14.85 12.75,15.6 v1(13.5,15.6)
MCU_RUN: MOD1.26 SW1.1 SW1.2 | length 32.4
  L1 [TOP] w0.15: SW1.2 24.4,34.9 25.95,33.35 v1(27.3,33.35) ; MOD1.26 27.75,17.5 28.35,18.1 v1(28.35,18.9)
  L1 [TOP] w0.3: SW1.1 SW1.2
  L2 [BOT] w0.15: v1(27.3,33.35) 28.35,32.3 v1(28.35,18.9)
MCU_SWCLK: MOD1.28
MCU_SWDIO: MOD1.27
NetLED1_1: LED1.1 R1.2 | length 1
  L1 [TOP] w0.2: R1.2 LED1.1
NetLED_GP0_1: LED_GP0.1 R_GP0.2 | length 1.5
  L1 [TOP] w0.2: LED_GP0.1 R_GP0.2
NetLED_GP1_1: LED_GP1.1 R_GP1.2 | length 1.5
  L1 [TOP] w0.2: LED_GP1.1 R_GP1.2
NetLED_GP2_1: LED_GP2.1 R_GP2.2 | length 1.5
  L1 [TOP] w0.2: LED_GP2.1 R_GP2.2
NetLED_GP3_1: LED_GP3.1 R_GP3.2 | length 1.5
  L1 [TOP] w0.2: LED_GP3.1 R_GP3.2
NetLED_GP4_1: LED_GP4.1 R_GP4.2 | length 1.5
  L1 [TOP] w0.2: LED_GP4.1 R_GP4.2
NetLED_GP5_1: LED_GP5.1 R_GP5.2 | length 1.5
  L1 [TOP] w0.2: LED_GP5.1 R_GP5.2
NetLED_GP6_1: LED_GP6.1 R_GP6.2 | length 1.5
  L1 [TOP] w0.2: LED_GP6.1 R_GP6.2
NetLED_GP7_1: LED_GP7.1 R_GP7.2 | length 1.5
  L1 [TOP] w0.2: LED_GP7.1 R_GP7.2
NetLED_GP8_1: LED_GP8.1 R_GP8.2 | length 1.5
  L1 [TOP] w0.2: LED_GP8.1 R_GP8.2
NetLED_GP9_1: LED_GP9.1 R_GP9.2 | length 1.5
  L1 [TOP] w0.2: LED_GP9.1 R_GP9.2
NetLED_GP10_1: LED_GP10.1 R_GP10.2 | length 1.5
  L1 [TOP] w0.2: LED_GP10.1 R_GP10.2
NetLED_GP11_1: LED_GP11.1 R_GP11.2 | length 1.5
  L1 [TOP] w0.2: LED_GP11.1 R_GP11.2
NetLED_GP12_1: LED_GP12.1 R_GP12.2 | length 1.5
  L1 [TOP] w0.2: LED_GP12.1 R_GP12.2
NetLED_GP13_1: LED_GP13.1 R_GP13.2 | length 1.5
  L1 [TOP] w0.2: LED_GP13.1 R_GP13.2
NetLED_GP14_1: LED_GP14.1 R_GP14.2 | length 1.5
  L1 [TOP] w0.2: LED_GP14.1 R_GP14.2
NetLED_GP15_1: LED_GP15.1 R_GP15.2 | length 1.5
  L1 [TOP] w0.2: LED_GP15.1 R_GP15.2
NetLED_GP16_1: LED_GP16.1 R_GP16.2 | length 1.5
  L1 [TOP] w0.2: LED_GP16.1 R_GP16.2
NetLED_GP17_1: LED_GP17.1 R_GP17.2 | length 1.5
  L1 [TOP] w0.2: LED_GP17.1 R_GP17.2
NetLED_GP18_1: LED_GP18.1 R_GP18.2 | length 1.5
  L1 [TOP] w0.2: LED_GP18.1 R_GP18.2
NetLED_GP19_1: LED_GP19.1 R_GP19.2 | length 1.5
  L1 [TOP] w0.2: LED_GP19.1 R_GP19.2
NetLED_GP20_1: LED_GP20.1 R_GP20.2 | length 1.5
  L1 [TOP] w0.2: LED_GP20.1 R_GP20.2
NetLED_GP21_1: LED_GP21.1 R_GP21.2 | length 1.5
  L1 [TOP] w0.2: LED_GP21.1 R_GP21.2
NetLED_GP22_1: LED_GP22.1 R_GP22.2 | length 1.5
  L1 [TOP] w0.2: LED_GP22.1 R_GP22.2
NetLED_GP23_1: LED_GP23.1 R_GP23.2 | length 1.5
  L1 [TOP] w0.2: LED_GP23.1 R_GP23.2
NetLED_GP24_1: LED_GP24.1 R_GP24.2 | length 1.5
  L1 [TOP] w0.2: LED_GP24.1 R_GP24.2
NetLED_GP25_1: LED_GP25.1 R_GP25.2 | length 1.5
  L1 [TOP] w0.2: LED_GP25.1 R_GP25.2
NetLED_GP26_1: LED_GP26.1 R_GP26.2 | length 1.5
  L1 [TOP] w0.2: LED_GP26.1 R_GP26.2
NetLED_GP27_1: LED_GP27.1 R_GP27.2 | length 1.5
  L1 [TOP] w0.2: LED_GP27.1 R_GP27.2
NetLED_GP28_1: LED_GP28.1 R_GP28.2 | length 1.5
  L1 [TOP] w0.2: LED_GP28.1 R_GP28.2
NetLED_GP29_1: LED_GP29.1 R_GP29.2 | length 1.5
  L1 [TOP] w0.2: LED_GP29.1 R_GP29.2
PP3300: C2.2 LED1.2 MOD1.4 MOD1.5 U1.5 | length 14.2
  L1 [TOP] w0.3: U1.5 C2.2 LED1.2 10.8,27.25 11.1,26.95 11.1,26.5
  L1 [TOP] w0.5: 11.1,26.5 11.1,23.35 11.95,22.5 13.123,22.5 ; MOD1.5 13.416,21.5 13.123,21.793 13.123,22.5 ; MOD1.4 13.123,22.5
PP5000_VIN: C1.2 C3.2 J1.A4 J1.A9 J1.B4 J1.B9 U1.1 U1.3 | length 28.4
  L1 [TOP] w0.2: J1.A9 8.25,16.45 ; J1.B4 7.95,16.75 8.25,16.45 8.4,16.45 8.5,16.35 v1(8.95,16.35) ; J1.B9 8.25,21.25 ; J1.A4 7.95,21.55 8.25,21.25 ; v1(8.95,21.15) 8.5,21.15 8.4,21.25 8.25,21.25
  L1 [TOP] w0.3: 3.35,24.95 C3.2 ; U1.3 4.35,25.35 4.25,25.45 4.25,25.6 3.85,26 C3.2 ; U1.1 C1.2 C3.2
  L1 [TOP] w0.5: 3.35,24.95 3.35,24.7 4.7,23.35 v1(4.7,20.85)
  L2 [BOT] w0.5: v1(8.95,16.35) 7.75,16.35 6.751,17.349 5.951,17.349 4.7,18.6 v1(4.7,20.85) 7.1,20.85 7.4,21.15 v1(8.95,21.15)
USB_CC1: J1.A5 R5.2 | length 1.6
  L1 [TOP] w0.2: J1.A5 R5.2
USB_CC2: J1.B5 R4.2 | length 1.6
  L1 [TOP] w0.2: J1.B5 8.05,17.25 8.15,17.15 R4.2
USB_CON_N: J1.A7 J1.B7 R3.2 | length 9.1
  L1 [TOP] w0.25: v1(6.1,19.75) 6.857,19.75 J1.B7 ; J1.A7 8,18.75 8.025,18.775 v1@8.55,18.775 ; v1(8.55,18.6) v1@8.55,18.775 ; R3.2 11.825,18.625 11.825,18.629 11.679,18.775 v1@8.55,18.775
  L2 [BOT] w0.25: v1(6.1,19.75) 7.4,19.75 v1(8.55,18.6)
USB_CON_P: J1.A6 J1.B6 R2.2 | length 7.4
  L1 [TOP] w0.25: J1.B6 6.5,18.25 6.35,18.4 6.35,19.05 6.55,19.25 J1.A6 8,19.25 8.025,19.225 11.679,19.225 11.825,19.371 11.825,19.375 R2.2
USB_N: MOD1.8 R3.1 | length 2.1
  L1 [TOP] w0.25: R3.1 MOD1.8
USB_P: MOD1.7 R2.1 | length 2.1
  L1 [TOP] w0.25: R2.1 MOD1.7
pads on no net: FID1.0 FID2.0 FID3.0 J1.A8 J1.B8 J1.MH1 J1.MH2 U1.4

## Polygon pours and split planes (outlines as drawn)
GND on L2 [BOT] "L1_GND" (solid, remove dead copper, pour order 3): 0,0 35,0 35,40 0,40
GND on L1 [TOP] "L1_GND" (solid, remove dead copper, pour order 2): 0,0 35,0 35,40 0,40

## Keep-outs
L1 [TOP]:
  lines w0.05: 6.547,22.396 ccw(c6.225,21.89) 6.571,21.4 ; 6.571,15.62 cw(c6.225,16.11) 6.581,16.593
L2 [BOT]:
  circle w0.05: c6.225,21.89 r0.6
  circle w0.05: c6.225,16.11 r0.6

## Silkscreen, mask and mechanical layers (free items; w line width, h text height)
Silkscreen [TOP]:
  text "BOOTSEL" at 3.5,36.3 h1.5
  text "RESET" at 13.5,36.3 h1.5
  text "μ" at 30.1,36.3 h2
  text "FEMTO TESTER V1" at 9,4.25 h1.5
  text "2022/06" at 13.351,2.6 h0.75
M01 BoardOutline:
  the board outline again, w0.1

## Dimensions
32,0 to 32,40 on M10 Dimensions
0,3 to 35,3 on M10 Dimensions

## Text inside footprints (layer, text, board x,y; h text height)
J1: M17 3DBodyTop "PCB Edge" at -1.15,21.2 h0.61 r270
PCB1: L1 [TOP] "1" at 1.9,2.7 h1; L2 [BOT] "2" at 3.55,2.7 h1